# Altium PCB PCB1.PcbDoc (part 2 of 2)
Units mil, origin at the board's own origin, x right, y up, seen from the top; angles counter-clockwise.
Board outline 4115.03 x 4635.01 mil, 2 copper layers (Top Layer, Bottom Layer); 73 components, 69 nets, 299 pads, 57 vias.
Unrouted connection lines stored in the file: 1.
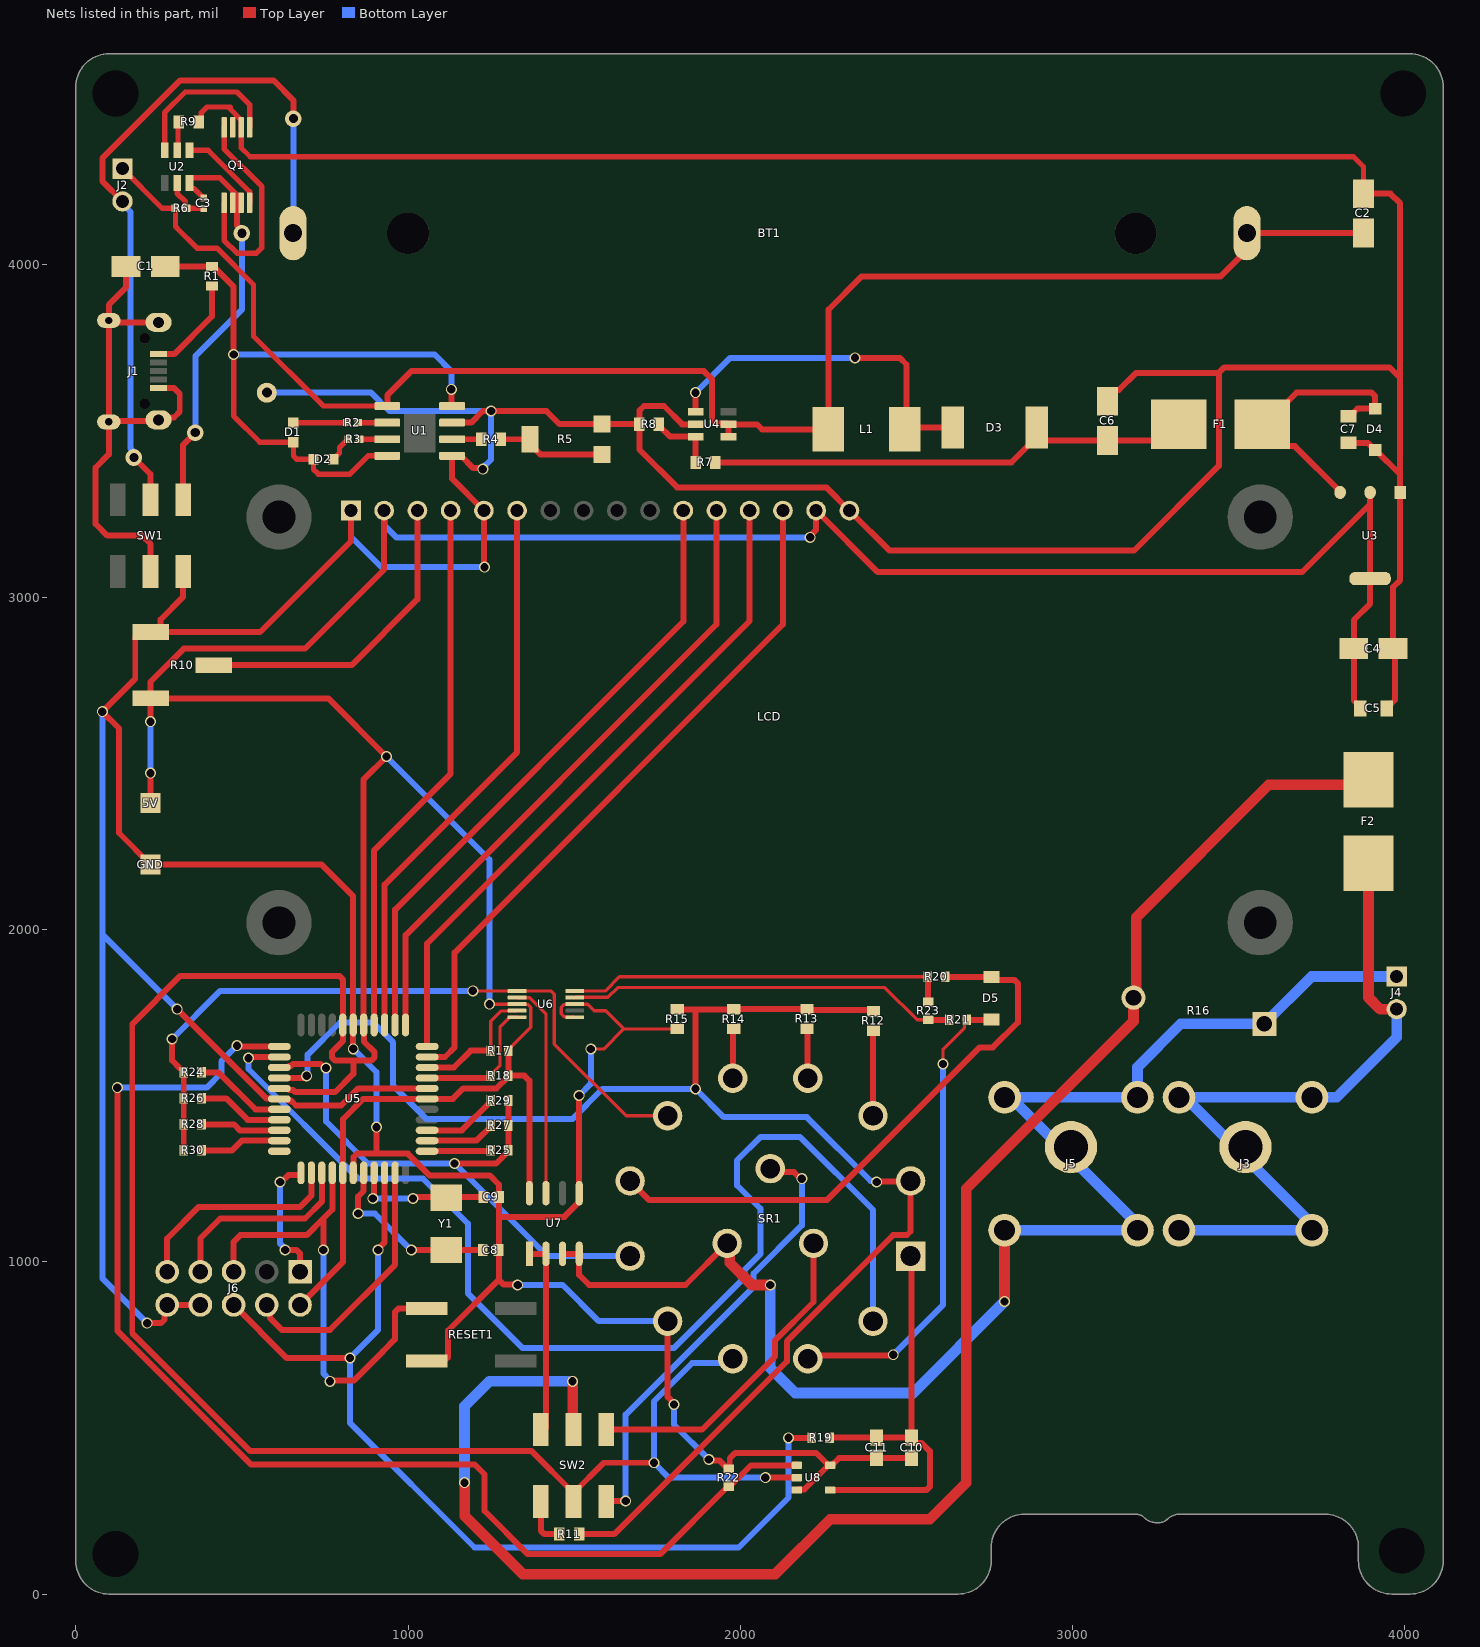
[diagram p2: the nets of this part, all layers, seen from the top]

## Part data (continued)
U4: "High Efficiency 1.2MHz2A Step Up Converter", Package=Package, Availability="Not in stock", Check_prices=https://www.snapeda.com/parts/MT3608/Aerosemi+Technology+Co.%252C+Ltd/view-part/?ref=eda, MF="Aerosemi Technology Co., Ltd", MP=MT3608, Price=None, SnapEDA_Link=https://www.snapeda.com/parts/MT3608/Aerosemi+Technology+Co.%252C+Ltd/view-part/?ref=snap
U5: library part CMP-0095-00554-1, "8-bit AVR Microcontroller, 4.5-5.5V, 16MHz, 32KB Flash, 1024 Bytes EEPROM, 2KB SRAM, 44-pin TQFP, Industrial Grade (-40°C to 85°C)", Code_JEDEC=MS-026-ACB, ComponentLink1Description="Manufacturer URL", ComponentLink1URL=http://www.atmel.com/, ComponentLink2Description="ATmega32(L) Datasheet", ComponentLink2URL=http://atmel.com/dyn/resources/prod_documents/doc2503.pdf, ComponentLink3Description="ATmega32(L) Summary", ComponentLink3URL=http://atmel.com/dyn/resources/prod_documents/2503S.pdf, DatasheetVersion="revQ, Feb-2011", PackageDescription="44-Pin Plastic Thin Profile Quad Flat Pack, 10 x 10 x 1.0 mm Body, 0.8 mm Pitch (TQFP)", PackageReference=44A, PackageVersion="revC, Oct-2010"
U6: library part CMP-0003-00377-3, "IC ADC 12BIT SIGMA-DELTA 10VSSOP", Case/Package=VSSOP, Max Operating Temperature=125°C, Max Power Dissipation=900uW, Max Supply Voltage=5.5V, Min Operating Temperature=-40°C, Min Supply Voltage=2V, Nominal Supply Current=150uA, Operating Supply Voltage=3.3V, Package Quantity=250, Contact Plating=Gold, Conversion Rate=3300S/s, Height=1.02mm, Integral Nonlinearity (INL)=0.5LSB, Interface=I2C, Lead Free="Lead Free", Length=3mm, Max Supply Voltage (DC)=5.5V, Min Supply Voltage (DC)=2V, Number Of A/D Converters=1, Number of Bits=12, Number of Channels=4, Number of Converters=1, Number of Elements=1, Number of Inputs=4, Number of Pins=10, Packaging="Tape and Reel", Polarity=Bipolar, Power Dissipation=900uW, Radiation Hardening=No, REACH SVHC="No SVHC", Resolution=12b, Sampling Rate=3.3KS/s, Supply Type=Single, Termination=SMD/SMT, Width=3mm
U7: library part CMP-0826-00001-2, "SENSOR CURRENT HALL 20A AC/DC", Case/Package=SOIC, Current Sensing=20A, Frequency=80kHz, Max Operating Temperature=85°C, Max Supply Current=13mA, Max Supply Voltage=5.5V, Min Operating Temperature=-40°C, Min Supply Voltage=4.5V, Operating Supply Voltage=5V, Output Current=10mA, Package Quantity=1, Accuracy=1.5%, Bandwidth=80kHz, Height=1.5mm, Lead Free="Lead Free", Length=4.9mm, Linearity=1.5%, Number of Channels=1, Number of Pins=8, Packaging="Tape and Reel", Polarity=Bidirectional, Quiescent Current=10mA, Radiation Hardening=No, REACH SVHC="No SVHC", Response Time=5us, RoHS Compliant=Yes, Sensitivity=100mV/A, Series=-, Termination=SMD/SMT, Width=3.9mm
U8: library part CMP-0055-01331-3, "Tiny Low Power Operational Amplifier with Rail-to-Rail Input and Output, 5-pin SOT-23", Manufacturer="Texas Instruments", Package Reference=DBV0005A, PackageTopMarking=A00A*XTT, PowerWise=N, ComponentLink1Description="Datasheet URL", ComponentLink1URL=http://www.ti.com/general/docs/lit/getliterature.tsp?genericPartNumber=LMC7101&fileType=pdf, CompType=Amplifiers, PackageDescription="Molded SOT-23, .115 x .063 x .040 in Body, 5 Lead, .0375 in Pitch", PinCount=5, RoHS=N
Y1: library part NX5032GA-16.000000MHZ-LN-CD-1, Package=None, Availability=Unavailable, MP=NX5032GA-16.000000MHZ-LN-CD-1, Price=None

## Free pads (board coordinates)
  round 70.87 hole 137.8 unplated: 1(3995,4515) 2(3990,130) 3(120,120) 4(120,4515)
  round 60 hole 30: 5(575,3615)

## Via types
v1: diameter 33, hole 25, Top Layer to Bottom Layer, 53 vias
v2: diameter 50, hole 28, Top Layer to Bottom Layer, 4 vias

## Nets (pads, with @x,y where several pads share a name; then routed paths per layer and width w, separated by ;. In a path a pad name is that pad's centre, name@x,y a point inside that pad or via, vN(x,y) a via of type N, cw(c..) or ccw(c..) an arc to the next point about the centre after c; other vN are vias at no path point)
+5: 5V.1 C4.1 C5.1 J6.2 LCD.2 LCD.15 R10.3 R17.2 R18.2 SR1.4 SW2.2 U3.2 U3.4 U5.5 U5.17 U5.27 U5.29 U5.38 U6.8 U7.8 U8.2 | length 14893.3
  Top Layer w10: v1(1245,1775) U6.8@1328.39,1775 1329.29,1774.09 1359.88,1774.09 1368.93,1765.05 1368.93,1705.31 1301.64,1638.02 R17.2@1301.64,1635
  Top Layer w18: 5V.1@225,2380 v1(225,2470) ; v1(225,2625) R10.3@225,2695 ; U5.38@612.56,1521.5 637.17,1521.5 641.67,1517 653.81,1517 660.81,1510 780,1510 835.35,1565.35 835.35,1605 ; J6.2@675,870 803.5,998.5 U5.5@803.5,1267.56 804.2,1268.26 804.2,1429.2 865,1490 U5.17@1057.44,1490 1135,1490 1166.51,1521.51 1266.17,1521.51 1301.64,1556.98 R18.2@1301.64,1560 ; U5.27@866.5,1687.83 867.19,1687.13 867.19,1662.8 899.54,1630.46 899.54,1615.54 889,1605 835.35,1605 ; U5.27@866.5,1712.44 866.5,2451.5 v1(935,2520) 760,2695 R10.3@225,2695 ; LCD.2@928.15,3260.39 928.15,3083.15 690,2845 325,2845 224.92,2744.92 R10.3@224.92,2695 R10.3@225,2695 ; R17.2@1301.64,1635 R18.2@1301.64,1560 ; U7.8@1365,1206.18 1365,1545 1350,1560 R18.2@1301.64,1560 ; SW2.2@1497.74,278.55 SW2.2@1497.74,304.14 ; v1(1740,395) 1588.59,395 SW2.2@1497.74,304.14 ; v1(2075,350) U8.2@2169.8,350 ; v1(2210,3180) 2210,3184.06 2228.15,3202.21 LCD.15@2228.15,3260.39 2413.54,3075 3690,3075 3895,3280 ; C5.1@3864.65,2665 3864.65,2669.92 3845.94,2688.62 C4.1@3845.94,2845 3845.94,2930.94 3895,2980 U3.4@3895,3055.55 3895,3280 ; U3.2@3895,3315 3895,3280 ; 835.35,1605 781,1605 770.46,1615.54 770.46,1630.46 803.5,1663.5 803.5,1849.46 792.96,1860 315,1860 170,1715 170,785 525.12,429.88 1372,429.88 SW2.2@1497.74,304.14
  Bottom Layer w18: v1(225,2470) v1(225,2625) ; LCD.2@928.15,3260.39 928.47,3260.08 928.47,3216.53 965,3180 v1(2210,3180) ; v1(935,2520) 1245,2210 v1(1245,1775) ; SR1.4@1977.01,707.95 1963.5,694.45 1854.45,694.45 1740,580 v1(1740,395) 1785,350 v1(2075,350)
+BAT: BT1.POS C2.1 J2.1 L1.1 R6.2 U1.5 U4.4 U4.5 | length 4882.5
  Top Layer w16: J2.1@140.67,4289.21 259.88,4170 R6.2@300,4170 300,4115 303.81,4111.19 365,4050 425,4050 535,3940 535,3785 745,3575 U1.5@937.56,3575
  Top Layer w18: U1.5@937.56,3575 937.56,3607.56 1010,3680 1890,3680 1915,3655 1915,3533.16 1925.54,3522.61 1961.8,3522.61 U4.5@1964.41,3520 ; U4.4@1964.41,3482.6 U4.5@1964.41,3520 ; C2.1@3875,4095.95 3874.05,4095 BT1.POS@3524.13,4095 3524.13,4044.13 3445,3965 2365,3965 2265,3865 L1.1@2265,3505 2065,3505 2050,3520 U4.5@1964.41,3520
-BAT: C3.2 Q1.2 Q1.3 SW1.1 U2.6 | length 1242
  Top Layer w16: C3.2@385,4200.75 355.98,4229.77 346.02,4229.77 342.4,4233.39 U2.6@342.4,4245.59 342.4,4257.8 346.02,4261.41 433.59,4261.41 485,4210 485,4185
  Top Layer w18: SW1.1@323.43,3293.27 323.43,3458.04 360,3494.61 v2(360,3495) ; 485,4185 485,4118.66 500,4103.66 v2(500,4095)
  Bottom Layer w18: v2(360,3495) 360,3725 500,3865 v2(500,4095)
GND: C2.2 C4.2 C5.2 C6.2 C7.2 C8.1 C9.1 C10.2 C11.2 D4.1 GND.1 J6.8 J6.10 LCD.1 LCD.5 LCD.16 pad.5 Q1.6 Q1.7 R5.1 R8.1 R9.2 R10.1 R15.1 R22.1 RESET1.B SR1.5 SW1.4 U1.1 U1.3 U3.1 U4.2 U5.6 U5.18 U5.28 U5.39 U6.1 U6.3 U7.5 U8.3 U8.5 | length 22519.2
  Top Layer w10: U6.1@1501.61,1735.63 1500.71,1736.54 1470.11,1736.54 1461.07,1745.58 1461.07,1765.05 1470.12,1774.09 1500.71,1774.09 U6.3@1501.61,1775 1540,1775 1560,1755 1595,1755 1649.53,1700.47 ; v1(1550,1640) 1589.06,1640 1649.53,1700.47 ; R15.1@1810,1700.47 1649.53,1700.47
  Top Layer w16: R9.2@369.53,4430 377.28,4437.75 377.28,4457.28 395,4475 465,4475 465,4468.76 497.8,4435.97 Q1.6@497.8,4413.39 497.8,4352.2 525,4325 3845,4325 3875,4295 C2.2@3875,4214.06
  Top Layer w18: v1(215,815) 256.62,815 267.16,825.54 267.16,862.16 J6.10@275,870 J6.8@375,870 ; v1(305,1760) 574.3,1490.7 587.25,1490.7 U5.39@587.58,1490.36 ; SW1.4@323.43,3076.73 323.43,3000.52 255.6,2932.7 255.6,2909.43 R10.1@241.18,2895 ; U5.39@612.56,1490 637.17,1490 641.84,1485.33 647.29,1485.33 662.62,1470 798.9,1470 850.4,1521.5 U5.18@1057.44,1521.5 ; LCD.1@828.15,3260.39 828.15,3168.15 555,2895 R10.1@241.18,2895 ; U5.6@835,1267.56 835.7,1268.26 835.7,1314.46 846.24,1325 905,1325 ; v1(835,1640.5) U5.28@835,1712.44 835,2100 740,2195 GND.1@225,2195 130,2290 130,2605 v1(80,2655) 179,2754 179,2880.57 193.43,2895 R10.1@224.92,2895 R10.1@241.18,2895 ; v1(905,1405) 905,1325 ; RESET1.B@1066.14,701.26 1109.45,701.26 1120.13,711.95 1120.13,792.71 1272.93,945.51 ; U1.3@1132.44,3525 1190,3525 1225,3560 v1(1250,3560) 1415.98,3560 1455.7,3520.28 R5.1@1583.27,3520.28 1583.41,3520.14 1695.81,3520.14 R8.1@1695.81,3516.2 ; v1(1225,3385) 1222.13,3387.87 1196.54,3387.87 1159.41,3425 U1.1@1132.44,3425 1132.44,3356.1 LCD.5@1228.15,3260.39 1229.08,3259.47 1229.08,3090.92 v1(1230,3090) ; C9.1@1272.93,1194.31 1272.93,1135 ; C9.1@1273.62,1195 1273.62,1231.94 1245.56,1260 1064.2,1260 999.2,1325 905,1325 ; v1(1330,930) 1328.05,931.95 1286.5,931.95 1272.93,945.51 ; v1(1515,1500) U7.5@1515,1206.18 1515,1179.96 1470.04,1135 1272.93,1135 ; R8.1@1695.94,3520 1695.94,3444.06 1810,3330 2258.54,3330 LCD.16@2328.15,3260.39 2448.96,3139.58 3184.58,3139.58 3440,3395 3440,3675 ; R8.1@1695.94,3520.14 1695.94,3560.94 1710,3575 1770,3575 1825,3520 U4.2@1865.59,3520 ; SR1.5@1780.94,820.94 1780.94,593.12 1800,574.06 v1(1800,570) ; v1(1905,405) 1907.87,402.13 1936.49,402.13 1961.98,376.64 R22.1@1965,376.64 1968.02,379.66 1968.02,408.02 1985,425 2227.68,425 U8.5@2265.27,387.4 ; U8.3@2169.8,312.6 2171.63,314.42 2192.3,314.42 U8.5@2265.27,387.4 ; C10.2@2515,409.4 C11.2@2410,409.4 2297.12,409.4 2275.12,387.4 U8.5@2270.2,387.4 U8.5@2265.27,387.4 ; C6.2@3105,3589.06 3105,3600.87 3127.5,3623.36 3139.31,3623.36 3190.94,3675 3440,3675 ; C7.2@3830,3464 3888.01,3464 3909.02,3442.99 D4.1@3910,3442.99 3910.98,3442.99 3985.16,3368.82 ; C2.2@3875,4214.06 3955.94,4214.06 3985.16,4184.84 3985.16,3659.84 ; C5.2@3945.35,2665 3945.35,2669.92 3955.18,2679.74 3959.46,2679.74 3970,2690.29 3970,2839.06 C4.2@3964.06,2845 3964.06,3029.65 3985.16,3050.75 U3.1@3985.16,3315 3985.16,3368.82 ; 1272.93,945.51 1272.93,1135 ; 3440,3675 3456.57,3691.57 3953.43,3691.57 3985.16,3659.84 ; 3985.16,3368.82 3985.16,3659.84
  Bottom Layer w18: v1(80,2655) 80,1985 ; v1(215,815) 80,950 80,1985 ; v1(305,1760) 80,1985 ; pad.5@575,3615 888.65,3615 943.65,3560 v1(1250,3560) 1250,3414.06 1225,3389.06 v1(1225,3385) ; LCD.1@828.15,3260.39 828.15,3181.85 920,3090 v1(1230,3090) ; v1(835,1640.5) 905,1570.5 v1(905,1405) ; v1(1330,930) 1465,930 1574.06,820.94 SR1.5@1780.94,820.94 ; v1(1515,1500) 1550,1535 v1(1550,1640) ; v1(1800,570) 1800,510 v1(1905,405)
NetBT1_NEG: BT1.NEG J2.2 SW1.2 | length 2251.5
  Top Layer w18: J2.2@140.67,4190.79 80,4251.46 80,4320 315,4555 595,4555 655,4495 v2(655,4440) ; v2(175,3420) 225,3370 SW1.2@225,3293.27 ; BT1.NEG@654.06,4095 BT1.NEG@654.06,4134.76
  Top Layer w32: BT1.NEG@654.06,4067.65 BT1.NEG@654.06,4095
  Bottom Layer w18: J2.2@140.67,4190.79 140.67,4183.06 165,4158.73 165,3446.54 168.88,3442.67 168.88,3426.12 v2(175,3420) ; BT1.NEG@654.06,4095 654.53,4095.47 654.53,4439.53 v2(655,4440)
NetC1_2: C1.2 J1.5 J1.Shell SW1.5 | length 1557.9
  Top Layer w18: J1.Shell@127.96,3826.65 J1.Shell@249.17,3826.65 ; C1.2@150.95,3995 150.95,3930.95 99.57,3879.57 J1.Shell@99.57,3832.56 J1.Shell@99.57,3527.44 ; SW1.5@225,3076.73 225,3160 200,3185 95,3185 60,3220 60,3390 99.57,3429.57 J1.Shell@99.57,3527.44 ; J1.5@249.17,3628.82 296.18,3628.82 312.96,3612.04 312.96,3557.96 295.45,3540.45 256.28,3540.45 J1.Shell@249.17,3533.35 246.22,3530.39 102.52,3530.39 J1.Shell@99.57,3527.44
NetC3_1: C3.1 R6.1 U2.5 | length 143.5
  Top Layer w16: U2.5@305,4245.59 305,4215 329.65,4190.35 329.65,4172.83 332.48,4170 R6.1@333.46,4170 333.84,4169.63 384.63,4169.63 C3.1@385,4169.25
  Top Layer w18: U2.5@305,4245.59 U2.5@307.61,4242.98
NetC6_1: C6.1 D3.1 F1.1 R7.2 | length 1492.9
  Top Layer w18: R7.2@1924.53,3405 2815.32,3405 2891.18,3480.87 D3.1@2891.18,3495.8 ; D3.1@2896.18,3515 D3.1@2891.18,3510 D3.1@2891.18,3495.8 ; F1.1@3319.21,3520 3270.16,3470.94 C6.1@3105,3470.94 2916.04,3470.94 D3.1@2891.18,3495.8
NetC7_1: C7.1 D4.2 F1.2 U3.3 | length 857
  Top Layer w11: C7.1@3830,3550 C7.1@3835,3555
  Top Layer w18: U3.3@3804.84,3315 3804.84,3317.6 3668.44,3454 3636,3454 F1.2@3570,3520 3578.46,3520 3673.46,3615 3899.46,3615 3910,3604.46 D4.2@3910,3567.01 3857.22,3567.01 C7.1@3840.22,3550 ; C7.1@3830,3550 C7.1@3840.22,3550 ; C7.1@3830,3550 C7.1@3840.22,3550 ; C7.1@3830,3550 C7.1@3840.22,3550
NetC8_2: C8.2 U5.7 Y1.2 | length 550
  Top Layer w18: v1(850,1145) 850,1196.22 866.5,1212.71 U5.7@866.5,1267.56 ; v1(1010,1035) Y1.2@1115,1035 C8.2@1225,1035
  Bottom Layer w18: v1(850,1145) 900,1145 v1(1010,1035)
NetC9_2: C9.2 U5.8 Y1.1 | length 818.3
  Top Layer w18: v1(893.99,1190) 893.99,1194.06 897.99,1198.06 U5.8@897.99,1267.56 ; v1(1015,1190) 1019.06,1190 v1@1024.06,1195 ; v1@1024.06,1195 C9.2@1226.38,1195 ; v1@1024.06,1195 C9.2@1226.38,1195 ; v1@1024.06,1195 C9.2@1226.38,1195
  Bottom Layer w18: v1(893.99,1190) v1(1015,1190)
NetC10_1: C10.1 C11.1 R19.1 SR1.1 U8.4 | length 1280.3
  Top Layer w18: R19.1@2268.28,470 2268.58,470.3 2409.7,470.3 C11.1@2410,470.6 C10.1@2515,470.6 ; U8.4@2270.2,312.6 2559.46,312.6 2570,323.14 2570,430 2545.16,454.84 2525.92,454.84 2515,465.76 C10.1@2515,470.6 ; SR1.1@2512.05,1017.01 2515,1014.06 C10.1@2515,470.6
NetD1_1: D1.1 R2.2 | length 161.5
  Top Layer w16: D1.1@655,3525 R2.2@816.54,3525
NetD2_1: D2.1 R3.2 | length 79.4
  Top Layer w16: D2.1@774.53,3415 793.56,3434.03 793.56,3449.55 816.19,3472.17 817.17,3472.17 R3.2@820,3475
NetD3_2: D3.2 L1.2 U4.1 | length 1073.4
  Top Layer w18: v1(1865,3615) 1865.3,3614.71 1865.3,3557.7 U4.1@1865.59,3557.4 ; v1(2345,3720) 2480,3720 2500,3700 2500,3510 D3.2@2638.82,3510
  Bottom Layer w18: v1(1865,3615) 1970,3720 v1(2345,3720)
NetD5_1: D5.1 R21.2 SR1.3 | length 1437.4
  Top Layer w10: v1(2610,1595) 2610,1640 2674.58,1704.58 2674.58,1720.61 R21.2@2681.64,1727.68
  Top Layer w18: SR1.3@2202.99,707.95 2212.17,717.13 2457.13,717.13 v1(2460,720) ; R21.2@2681.64,1727.68 2681.96,1727.99 2754.68,1727.99 D5.1@2755,1728.31 D5.1@2756.65,1726.65
  Bottom Layer w18: v1(2460,720) 2610,870 v1(2610,1595)
NetD5_2: D5.2 R20.2 SR1.7 | length 1756.9
  Top Layer w18: SR1.7@1667.95,1242.99 1725.94,1185 2260,1185 2720,1645 2760,1645 2835,1720 2835,1837.59 2824.46,1848.13 2763.91,1848.13 D5.2@2755,1857.05 2754.68,1857.36 2616.96,1857.36 R20.2@2616.64,1857.68
NetF2_1: F2.1 J3.P$1 J3.P$2 J3.P$3 J3.P$4 J3.P$5 J4.2 | length 2296.1
  Top Layer w32: F2.1@3890,2199.61 3890,1795 3925,1760 J4.2@3975,1760
  Bottom Layer w32: J3.P$4@3320,1094.61 J3.P$5@3720,1094.61 3720,1112.58 3520,1312.58 J3.P$1@3520,1345 3487.58,1345 J3.P$2@3337.97,1494.61 ; J3.P$2@3320,1494.61 J3.P$2@3337.97,1494.61 ; J4.2@3975,1760 3975,1675 3794.61,1494.61 J3.P$2@3337.97,1494.61
NetF2_2: F2.2 R16.2 SW2.5 | length 5311.8
  Top Layer w32: v1(1170,335) 1170.19,334.81 1170.19,234.81 1345,60 2105,60 2270,225 2570,225 2680,335 2680,1220 3183.15,1723.15 R16.2@3183.15,1794.37 3190.96,1802.18 3190.96,2035.96 3590,2435 3874.61,2435 F2.2@3890,2450.39 ; v1(1495,640) 1495.19,639.81 1495.19,497.63 SW2.5@1497.74,495.09
  Bottom Layer w32: v1(1170,335) 1170,565 1245,640 v1(1495,640)
NetJ1_1: J1.1 R1.2 | length 298.9
  Top Layer w18: J1.1@249.17,3731.18 296.18,3731.18 410,3845 R1.2@410,3935.94
NetJ4_1: J4.1 J5.P$1 J5.P$2 J5.P$3 J5.P$4 J5.P$5 R16.1 SR1.B U7.3 U7.4 | length 4509.5
  Top Layer w18: U7.3@1465,1023.82 U7.4@1515,1023.82 1515,960 1545,930 1835,930 SR1.B@1960,1055
  Top Layer w32: SR1.B@1960,1055 1968.26,1046.74 1968.26,996.74 2035,930 v1(2090,930) ; v1(2795,880) J5.P$4@2795,1094.61
  Bottom Layer w32: v1(2090,930) 2090,680 2165,605 2520,605 v1(2795,880) ; J5.P$4@2795,1094.61 J5.P$5@3195,1094.61 3195,1112.58 2995,1312.58 J5.P$1@2995,1345 2962.58,1345 J5.P$2@2812.97,1494.61 ; J5.P$2@2795,1494.61 J5.P$2@2812.97,1494.61 ; J4.1@3975,1858.43 3719.65,1858.43 R16.1@3576.85,1715.63 3325.63,1715.63 3195,1585 J5.P$3@3195,1494.61 J5.P$2@2812.97,1494.61
NetJ6_1: J6.1 U5.1 | length 392
  Top Layer w18: v1(615,1240) 619.06,1240 639.69,1260.63 675.83,1260.63 677.52,1262.32 U5.1@677.52,1267.56 ; v1(630,1035) 664.46,1035 675,1024.46 J6.1@675,970
  Bottom Layer w18: v1(615,1240) 615,1054.06 630,1039.06 v1(630,1035)
NetJ6_4: J6.4 U5.10 | length 792.4
  Top Layer w18: J6.4@575,870 585.12,859.88 585.12,829.88 620,795 765,795 960.98,990.98 U5.10@960.98,1267.56
NetJ6_5: J6.5 RESET1.A U5.4 | length 1476.5
  Top Layer w18: J6.5@475,970 475,1060 495,1080 695,1080 745,1130 ; v1(745,1035) 745,1130 ; v1(765,640) 767.87,642.87 837.87,642.87 925,730 925,731.11 960,766.11 960,848.2 970.54,858.74 RESET1.A@1066.14,858.74 ; U5.4@772.01,1267.56 772.01,1157.01 745,1130
  Bottom Layer w18: v1(745,1035) 745,664.06 765,644.06 v1(765,640)
NetJ6_6: J6.6 R19.2 U5.9 | length 2999.6
  Top Layer w18: J6.6@475,870 635,710 v1(825,710) ; v1(910,1035) 910,1039.06 929.49,1058.55 U5.9@929.49,1267.56 ; v1(2145,470) R19.2@2215,470
  Bottom Layer w18: v1(910,1035) 910,795 v1(825,710) 825,515 1200,140 1995,140 2145,290 v1(2145,470)
NetJ6_7: J6.7 U5.3 | length 598.3
  Top Layer w18: J6.7@375,970 375,1070 435,1130 690,1130 740.51,1180.51 U5.3@740.51,1267.56
NetJ6_9: J6.9 U5.2 | length 656
  Top Layer w18: J6.9@275,970 275,1070 370,1165 675,1165 709.02,1199.02 U5.2@709.02,1267.56
NetLCD_3: LCD.3 R10.2 | length 962.4
  Top Layer w18: R10.2@415.08,2795 830,2795 1028.15,2993.15 LCD.3@1028.15,3260.39
NetLCD_4: LCD.4 U5.26 | length 1643.3
  Top Layer w18: U5.26@897.99,1712.44 897.99,2237.99 1128.15,2468.15 LCD.4@1128.15,3260.39
NetLCD_6: LCD.6 U5.25 | length 1713.1
  Top Layer w18: U5.25@929.49,1712.44 929.49,2134.49 1328.15,2533.15 LCD.6@1328.15,3260.39
NetLCD_11: LCD.11 U5.24 | length 1907.1
  Top Layer w18: U5.24@960.98,1712.44 960.98,2059.54 1828.15,2926.71 LCD.11@1828.15,3260.39
NetLCD_12: LCD.12 U5.23 | length 1935.5
  Top Layer w18: U5.23@992.48,1712.44 992.48,1982.48 1928.15,2918.15 LCD.12@1928.15,3260.39
NetLCD_13: LCD.13 U5.22 | length 2015
  Top Layer w18: U5.22@1057.44,1647.48 1057.44,1957.44 2028.15,2928.15 LCD.13@2028.15,3260.39
NetLCD_14: LCD.14 U5.21 | length 2119.3
  Top Layer w18: U5.21@1057.44,1615.98 1110.98,1615.98 1140,1645 1140,1930 2128.15,2918.15 LCD.14@2128.15,3260.39
NetQ1_1: Q1.1 Q1.8 | length 658.1
  Top Layer w16: Q1.1@446.61,4186.61 446.61,4073.39 485,4035 543.37,4035 560,4051.63 560,4235 446.61,4348.39 Q1.8@446.61,4413.39
NetQ1_4: Q1.4 U2.1 | length 298.7
  Top Layer w16: U2.1@342.4,4356.61 U2.1@342.4,4344.41 398.64,4344.41 523.26,4219.79 523.26,4186.74 Q1.4@523.39,4186.61 523.39,4207.23 Q1.4@523.51,4207.35
NetQ1_5: Q1.5 U2.3 | length 479.3
  Top Layer w16: U2.3@267.6,4344.41 267.6,4458.23 329.37,4520 485,4520 523.26,4481.74 523.26,4413.51 Q1.5@523.39,4413.39
NetR2_1: R2.1 U1.6 | length 87.6
  Top Layer w16: R2.1@850,3525 U1.6@937.56,3525
NetR3_1: R3.1 U1.7 | length 84.1
  Top Layer w16: R3.1@853.46,3475 U1.7@937.56,3475
NetR4_1: R4.1 R5.2 R5.3 | length 330.6
  Top Layer w16: R4.1@1279.53,3475 R5.2@1366.73,3475
  Top Layer w18: R5.2@1366.73,3475 1366.73,3461.22 1398.23,3429.72 R5.3@1583.27,3429.72
NetR4_2: R4.2 U1.2 | length 88
  Top Layer w16: U1.2@1132.44,3475 R4.2@1220.47,3475
NetR7_1: R7.1 R8.2 U4.3 | length 206
  Top Layer w18: R8.2@1755,3520 1755,3516.06 1788.47,3482.6 U4.3@1865.59,3482.6 1865.53,3482.54 1865.53,3405.06 R7.1@1865.47,3405
NetR9_1: R9.1 U2.2 | length 87.9
  Top Layer w16: U2.2@305,4344.41 305,4357.49 307.74,4360.23 307.74,4427.26 R9.1@310.47,4430
NetR11_1: R11.1 SW2.1 | length 148.5
  Top Layer w18: SW2.1@1399.31,278.55 1399.31,190.54 1409.86,180 R11.1@1455.47,180
NetR11_2: R11.2 R12.2 R13.2 R14.2 R15.2 SR1.12 U5.37 | length 4747.1
  Top Layer w18: U5.37@612.56,1552.99 684.43,1552.99 690.94,1559.5 v1(695,1559.5) ; R11.2@1514.53,180 1620,180 2139.7,699.7 2139.7,760.11 2459.89,1080.3 2501.5,1080.3 2512.05,1090.84 SR1.12@2512.05,1242.99 ; R15.2@1810,1759.53 1865,1759.53 ; v1(1865,1520) 1865,1759.53 ; R12.2@2400,1754.06 2397.03,1757.03 2202.5,1757.03 2199.76,1759.76 1980.24,1759.76 R14.2@1980,1759.53 1865,1759.53 ; v1(2410,1240) 2411.5,1241.5 SR1.12@2510.55,1241.5
  Bottom Layer w18: v1(695,1559.5) 697.87,1562.37 697.87,1622.87 795,1720 895,1720 955,1660 955,1530 1055,1430 1495.2,1430 1585.2,1520 v1(1865,1520) 1950,1435 2200,1435 2392.13,1242.87 2407.13,1242.87 v1(2410,1240)
NetR12_1: R12.1 SR1.11 | length 256.3
  Top Layer w18: SR1.11@2399.06,1439.06 2399.53,1439.53 2399.53,1694.53 R12.1@2400,1695
NetR13_1: R13.1 SR1.10 | length 150.1
  Top Layer w18: R13.1@2200,1700.94 2201.5,1699.45 2201.5,1553.54 SR1.10@2202.99,1552.05
NetR14_1: R14.1 SR1.9 | length 149.7
  Top Layer w18: SR1.9@1977.01,1552.05 1978.5,1553.54 1978.5,1698.98 R14.1@1980,1700.47
NetR17_1: R17.1 U5.20 U6.9 | length 393.1
  Top Layer w10: R17.1@1248.36,1635 1248.36,1723.36 1279.41,1754.41 U6.9@1327.48,1754.41
  Top Layer w18: U5.20@1057.44,1584.49 U5.20@1057.7,1584.74 ; R17.1@1248.36,1635 1188.48,1635 1137.96,1584.49 U5.20@1057.95,1584.49 ; U5.20@1057.7,1584.74 U5.20@1057.95,1584.49 ; U5.20@1057.7,1584.74 U5.20@1057.95,1584.49 ; U5.20@1057.7,1584.74 U5.20@1057.95,1584.49
NetR18_1: R18.1 U5.19 U6.10 | length 491
  Top Layer w10: R18.1@1248.36,1556.98 R18.1@1248.36,1560 1248.36,1563.02 1276.68,1591.34 1276.68,1706.56 U6.10@1305.53,1735.41 ; U6.10@1328.39,1735.41 U6.10@1305.53,1735.41 ; U6.10@1305.53,1735.41 U6.10@1330,1735.41 ; U6.10@1305.53,1735.41 U6.10@1330,1735.41 ; U6.10@1305.53,1735.41 U6.10@1330,1735.41
  Top Layer w18: U5.19@1057.44,1552.99 1244.37,1552.99 R18.1@1248.36,1556.98
NetR20_1: R20.1 R23.1 U6.5 | length 1156.4
  Top Layer w10: U6.5@1501.61,1814.37 1592.87,1814.37 1636.18,1857.68 R20.1@2563.36,1857.68
  Top Layer w18: R20.1@2563.36,1857.68 2564.18,1856.86 2564.18,1782.46 R23.1@2565,1781.64
NetR21_1: R21.1 R23.2 U6.4 | length 1179.6
  Top Layer w10: U6.4@1501.61,1794.68 1502.3,1795.37 1600.74,1795.37 1630.37,1825 2435,1825 2531.64,1728.36 R23.2@2565,1728.36
  Top Layer w18: R23.2@2565,1728.36 2565.34,1728.02 2628.02,1728.02 R21.1@2628.36,1727.68
NetR22_2: R22.2 U5.34 U8.1 | length 3799.1
  Top Layer w18: v1(125,1523.69) 125,791.82 526.82,390 1200,390 1230,360 1230,250 1360,120 1758.62,120 1961.98,323.36 R22.2@1965,323.36 1968.02,323.36 2032.06,387.4 U8.1@2169.8,387.4 2167.98,389.23 U8.1@2163.06,389.23 ; v1(485,1650) 486.82,1648.18 611.86,1648.18 U5.34@612.56,1647.48
  Bottom Layer w18: v1(125,1523.69) 393.69,1523.69 437.91,1567.91 437.91,1602.91 v1(485,1650)
NetR24_1: R24.1 R26.1 R28.1 R30.1 SR1.8 U6.6 | length 2148.1
  Top Layer w10: R24.1@314.48,1580.99 317.03,1580.99 325,1573.02 R24.1@325,1570.47 ; v1(1195,1815) 1195.32,1814.69 1328.07,1814.69 U6.6@1328.39,1814.37 1430.63,1814.37 1440,1805 1440,1655 1655.94,1439.06 SR1.8@1780.94,1439.06
  Top Layer w18: v1(290,1670) 290,1605.47 R24.1@314.48,1580.99 ; R30.1@325,1331.98 R30.1@325,1335 R28.1@325,1413.33 R26.1@325,1491.67 R24.1@325,1570
  Bottom Layer w18: v1(290,1670) 435,1815 v1(1195,1815)
NetR24_2: R24.2 U5.40 | length 280.5
  Top Layer w18: R24.2@378.28,1570 429.35,1570 540.85,1458.5 U5.40@612.56,1458.5
NetR25_1: R25.1 R27.1 R29.1 SR1.6 U5.36 | length 1723.1
  Top Layer w18: U5.36@612.56,1584.49 637.17,1584.49 641.84,1589.16 647.29,1589.16 653.13,1595 736.74,1595 748.84,1582.9 v1(752.9,1582.9) ; v1(1140,1295.5) 1265.16,1295.5 1301.64,1331.98 R25.1@1301.64,1335 R27.1@1301.64,1410 R29.1@1301.64,1485
  Bottom Layer w18: v1(752.9,1582.9) 752.9,1422.1 879.5,1295.5 v1(1140,1295.5) 1418.49,1017.01 SR1.6@1667.95,1017.01
NetR25_2: R25.2 U5.12 | length 191.9
  Top Layer w18: U5.12@1057.44,1332.52 1058.14,1333.22 1246.58,1333.22 R25.2@1248.36,1335
NetR26_2: R26.2 U5.41 | length 261.1
  Top Layer w18: R26.2@378.28,1491.67 452.77,1491.67 517.43,1427.01 U5.41@612.56,1427.01
NetR27_2: R27.2 U5.13 | length 211.7
  Top Layer w18: U5.13@1057.44,1364.02 1205.39,1364.02 1248.36,1406.98 R27.2@1248.36,1410
NetR28_2: R28.2 U5.42 | length 241.7
  Top Layer w18: R28.2@378.28,1413.33 476.19,1413.33 494.01,1395.51 U5.42@612.56,1395.51
NetR29_2: R29.2 U5.14 | length 229.8
  Top Layer w18: U5.14@1057.44,1395.51 1161.89,1395.51 1248.36,1481.98 R29.2@1248.36,1485
NetR30_2: R30.2 U5.43 | length 246.3
  Top Layer w18: R30.2@378.28,1335 470.59,1335 499.61,1364.02 U5.43@612.56,1364.02
NetSR1_2: SR1.2 U5.35 | length 3443
  Top Layer w18: v1(520,1612.68) 522.6,1615.28 611.86,1615.28 U5.35@612.56,1615.98
  Bottom Layer w18: v1(520,1612.68) 520,1580 850,1250 1045,1250 1180,1115 1180,905 1345,740 1800,740 2013,953 2013,975.69 2060,1022.69 2060,1160 1990,1230 1990,1305 2060,1375 2180,1375 2399.06,1155.94 SR1.2@2399.06,820.94
NetSR1_A: SR1.A SW2.6 | length 987.6
  Top Layer w18: SW2.6@1596.16,495.09 1885.09,495.09 2104.86,714.86 2104.86,763.46 2220,878.6 SR1.A@2220,1055
NetSR1_C: SR1.C SW2.3 | length 1356.4
  Top Layer w18: SW2.3@1596.16,278.55 1597.61,280 v1(1655,280) ; SR1.C@2090,1280 2100.35,1269.65 2161.29,1269.65 2180.94,1250 v1(2185,1250)
  Bottom Layer w18: v1(1655,280) 1655,540 2040,925 2040,964.51 2185,1109.51 v1(2185,1250)
NetSW2_4: SW2.4 U7.1 U7.2 | length 580.2
  Top Layer w18: U7.1@1365,1023.82 U7.2@1415,1023.82 1415,498.43 SW2.4@1411.57,495
NetU5_44: U5.44
NetU6_7: U6.7 U7.7 | length 646.5
  Top Layer w10: U6.7@1328.39,1794.68 1329.07,1794 1366.85,1794 1415,1745.85 U7.7@1415,1206.18
VIN: C1.1 D1.2 D2.2 R1.1 U1.4 U1.8 | length 2001.9
  Top Layer w16: v1(475,3730) 475,3545 554.06,3465.94 D1.2@655,3465.94 655,3424.37 664.37,3415 D2.2@715.47,3415 715.47,3384.53 730,3370 825,3370 880,3425 U1.8@937.56,3425
  Top Layer w18: C1.1@269.06,3995 R1.1@410,3995 413.94,3995 475,3933.94 v1(475,3730) ; v1(1130,3625) 1130,3577.44 U1.4@1132.44,3575
  Bottom Layer w18: v1(475,3730) 1080,3730 1130,3680 v1(1130,3625)
pads on no net: BT1. J1.2 J1.3 J1.4 J1.MH1 J1.MH2 J6.3 LCD.7 LCD.8 LCD.9 LCD.10 LCD.S1 LCD.S2 LCD.S3 LCD.S4 RESET1.A' RESET1.B' SW1.3 SW1.6 U1.9 U2.4 U4.6 U5.11 U5.15 U5.16 U5.30 U5.31 U5.32 U5.33 U6.2 U7.6

## Polygon pours and split planes (outlines as drawn)
GND on Bottom Layer "GND_L02_P001" (solid, remove dead copper, pour order 1): 0.71,4485.49 0.71,4534.29 cw(c100.71,4534.29) 100.71,4634.29 4015.33,4634.29 cw(c4015.33,4534.29) 4115.33,4534.29 4115.33,99.29 cw(c4015.33,99.29) 4015.33,-0.71 3960.33,-0.71 cw(c3960.33,99.29) 3860.33,99.29 3860.33,139.29 ccw(c3760.33,139.29) 3760.33,239.29 3321.55,239.29 ccw(c3321.55,188.08) 3285.33,224.29 cw(c3261.19,248.43) 3261.19,214.29 3250.33,214.29 cw(c3250.33,262.57) 3216.19,228.43 3215.33,229.29 ccw(c3191.19,205.15) 3191.19,239.29 2855.33,239.29 ccw(c2855.33,139.29) 2755.33,139.29 2755.33,99.29 cw(c2655.33,99.29) 2655.33,-0.71 100.33,-0.71 cw(c100.33,99.29) 0.33,99.29 0.33,109.29
GND on Top Layer "GND_L01_P000" (solid, remove dead copper, pour order 0): 0.71,4485.49 0.71,4534.29 cw(c100.71,4534.29) 100.71,4634.29 4015.33,4634.29 cw(c4015.33,4534.29) 4115.33,4534.29 4115.33,99.29 cw(c4015.33,99.29) 4015.33,-0.71 3960.33,-0.71 cw(c3960.33,99.29) 3860.33,99.29 3860.33,139.29 ccw(c3760.33,139.29) 3760.33,239.29 3321.55,239.29 ccw(c3321.55,188.08) 3285.33,224.29 cw(c3261.19,248.43) 3261.19,214.29 3250.33,214.29 cw(c3250.33,262.57) 3216.19,228.43 3215.33,229.29 ccw(c3191.19,205.15) 3191.19,239.29 2855.33,239.29 ccw(c2855.33,139.29) 2755.33,139.29 2755.33,99.29 cw(c2655.33,99.29) 2655.33,-0.71 100.33,-0.71 cw(c100.33,99.29) 0.33,99.29 0.33,109.29

## Silkscreen, mask and mechanical layers (free items; w line width, h text height)
Top Overlay:
  drawing of 18 lines, arcs and shapes, not listed
  text "contrast" at 37,2963 h50 r270
  text "Current" at 1088,478 h40
  text "Multimeter" at 1658,478 h40

## Text inside footprints (layer, text, board x,y; h text height)
C1: Top Overlay "+" at 365.51,3975.31 h48 r90
C2: Top Overlay "+" at 3855.31,3999.49 h48
C4: Top Overlay "+" at 3749.49,2864.69 h48 r270
C6: Top Overlay "+" at 3085.32,3374.49 h48
J1: Top 3D Body "PCB Edge" at 5.08,3731.18 h29.53 r270